# Altium PCB DE842170260.PcbDoc (part 1 of 2) (continued)
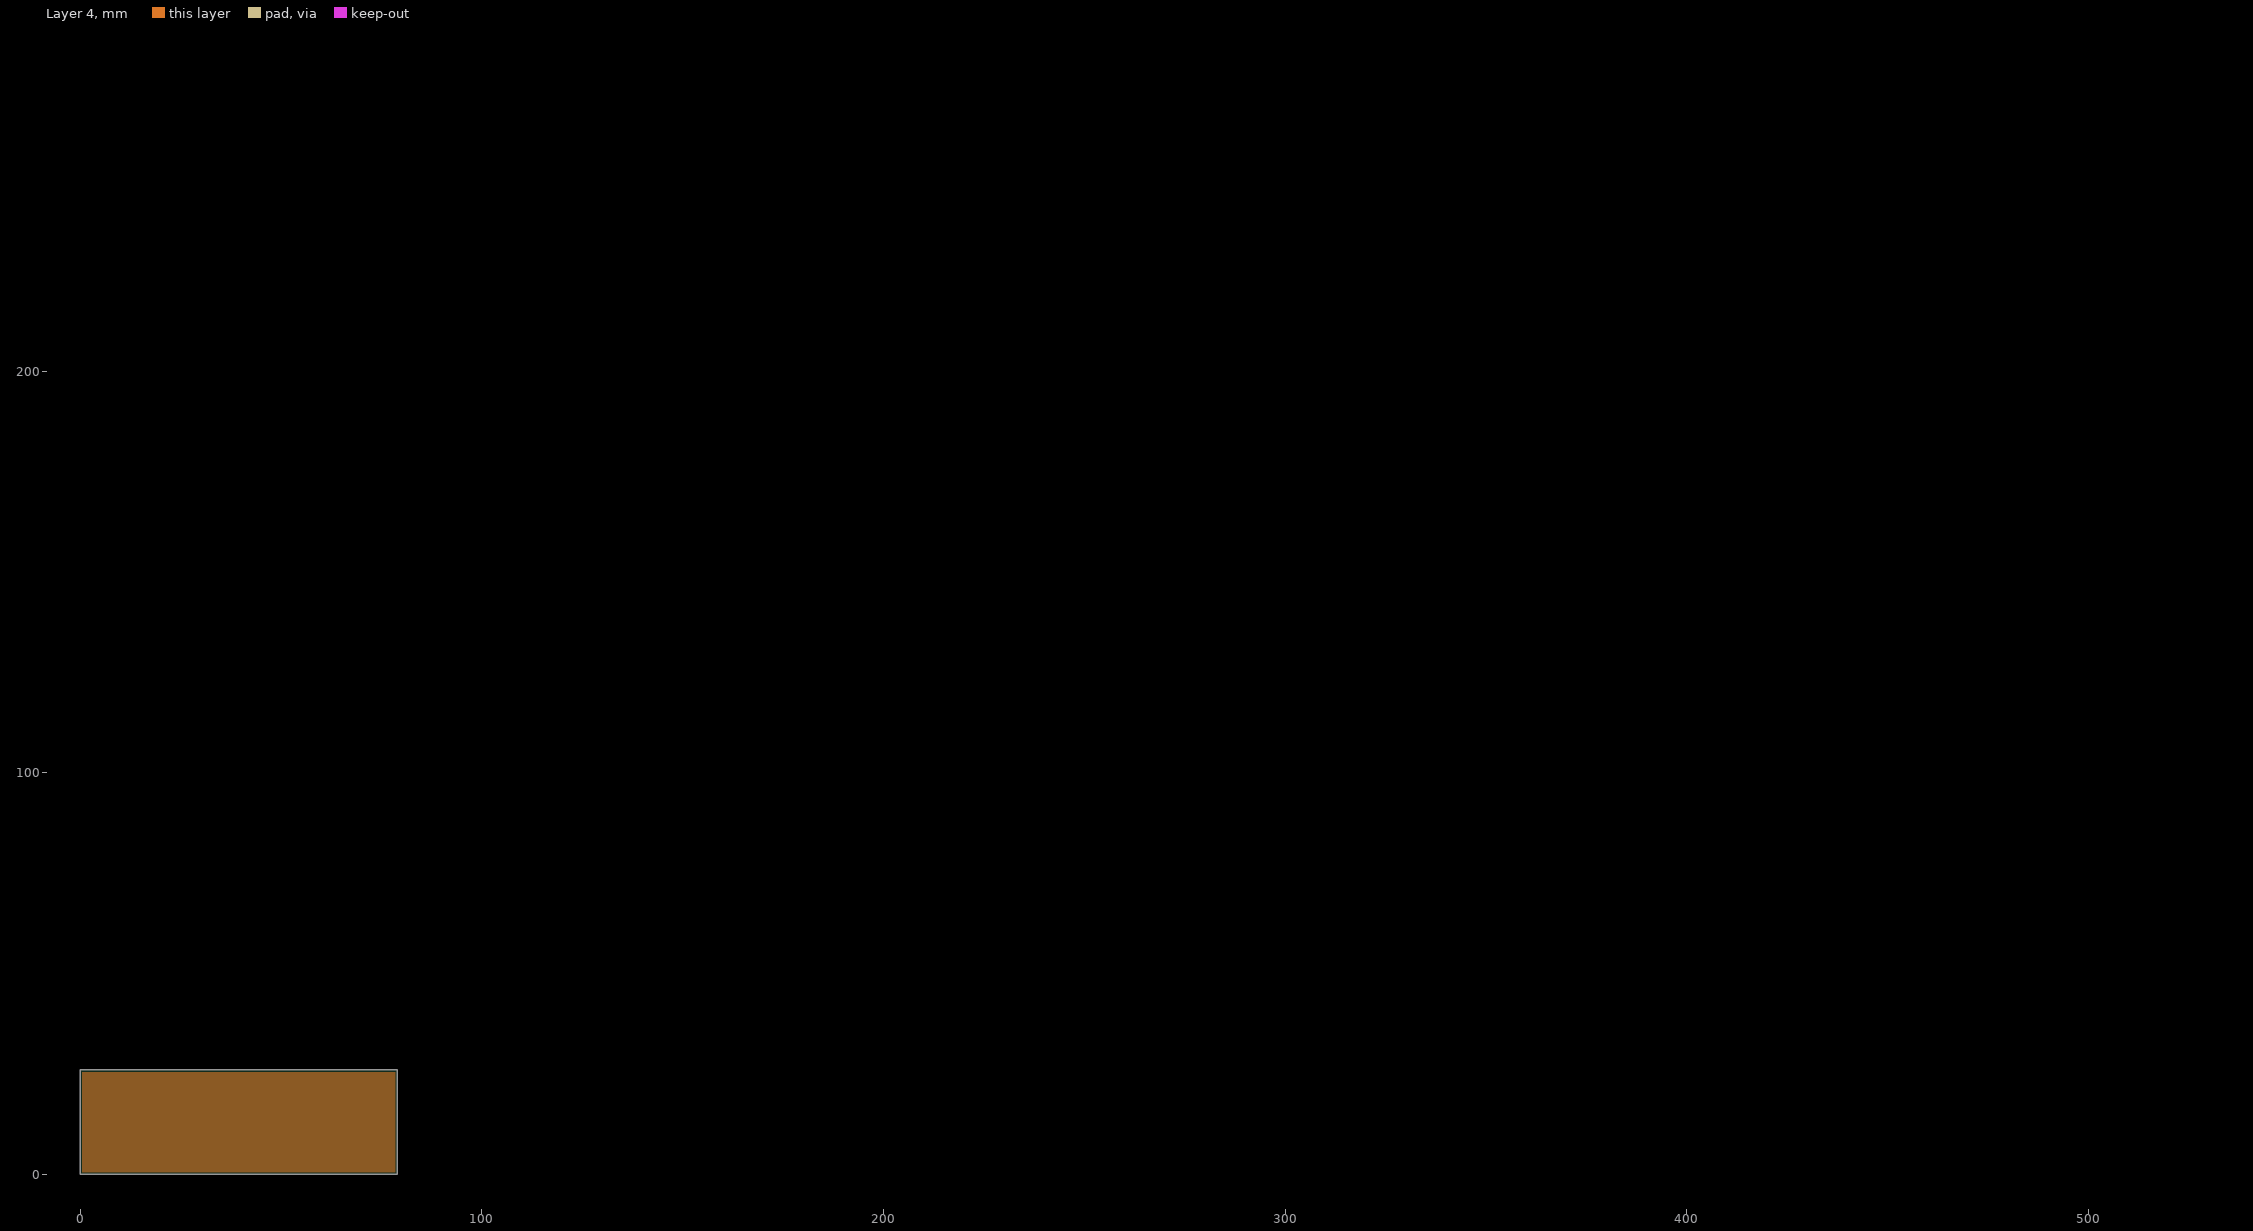
[diagram p4: Layer 4, clearances drawn from the general rule]

## Layer stack, top to bottom
Top Solder: solder mask 0.0102, Solder Resist, Dk 3.5
Top Layer: signal copper 0.0356
Dielectric 2: prepreg 0.0711, PP-006, Dk 4.1
Layer 1: signal copper 0.035
Dielectric6: dielectric 0.32, FR-4, Dk 4.8
Layer 1 (Plane1): plane copper 0.035
Dielectric 3: prepreg 0.0711, PP-006, Dk 4.1
Layer 2: signal copper 0.035
Dielectric 1: dielectric 0.32, FR-4, Dk 4.8
Layer 3: signal copper 0.035
Dielectric 4: prepreg 0.0711, PP-006, Dk 4.1
Layer 4: plane copper 0.035
Dielectric 5: prepreg 0.0711, PP-006, Dk 4.1
Bottom Layer: signal copper 0.0356
Bottom Solder: solder mask 0.0102, Solder Resist, Dk 3.5

## Board outline
0,0 0,26 79,26 79,0

## Design rules (kind name [scope] priority, off if disabled: settings)
Clearance [All] p1: gap=0.254 ignorepadtopadclearanceinfootprint=FALSE except(0: Arc-Hole Track-Hole SMDPad-Hole THPad-Hole Via-Hole Fill-Hole Poly-Hole Region-Hole Text-Hole)
PlaneClearance [All] p1: clearance=0.508
PlaneConnect [All] p1: planeconnectstyle=Relief reliefexpansion=0.508 reliefentries=4 reliefconductorwidth=0.254 reliefairgap=0.254
PolygonConnect [All] p1: connectstyle=Relief reliefconductorwidth=0.254 reliefentries=4 polygonreliefangle="90 Angle" airgapwidth=0.254
RoutingVias [All] p1: holewidth=0.711 width=1.27 viastyle="Through Hole" minholewidth=0.711 minwidth=1.27 maxholewidth=0.711 maxwidth=1.27
SolderMaskExpansion [All] p1: expansion=0.102 istentingtop=FALSE
Width [All] p1: maxlimit=0.254 minlimit=0.254 preferedwidth=0.254
28 further rules are at their usual default settings.

## Components (designator, comment, footprint, x,y, rotation, side; value= is the part's Value field where it differs from the comment)
1 "ERJ2RKF1002X" RESC1005X40X25LL05T05 221.599,277.3 r90 top locked
2 "ERJ2RKF1002X" RESC1005X40X25LL05T05 121.4,277.3 r90 top locked
3 "ERJ2RKF1002X" RESC1005X40X25LL05T05 20.3,277.3 r90 top locked
C1 "C1608X5R1A106M080AC" FP-C1608-080-0_1-IPC_A 108.099,33.8 r0 top locked
C2 "C1005X5R1E104K050BC" FP-C1005-050-0_05-MFG 98.199,34.1 r0 top locked
C3 "CC0402KRX7R7BB223" FP-CC0402-MFG 418.599,239.9 r0 top locked value="22 nF"
C4 "CC0402KRX7R7BB222" FP-CC0402-MFG 422.899,239.9 r0 top locked value="2.2 nF"
C5 "CC0402KRX7R7BB222" FP-CC0402-MFG 427.199,239.9 r0 top locked value="2.2 nF"
C6 "C1005X5R1E104K050BC" FP-C1005-050-0_05-MFG 14.599,34.1 r0 top locked
C7 "C1005X5R1E104K050BC" FP-C1005-050-0_05-MFG 18.899,34.1 r0 top locked
C8 "C1005X5R1E104K050BC" FP-C1005-050-0_05-MFG 10.299,34.1 r0 top locked
C9 "CC0402KRX7R7BB223" FP-CC0402-MFG 331.499,239.9 r0 top locked value="22 nF"
C10 "CC0402KRX7R7BB222" FP-CC0402-MFG 335.599,239.7 r90 top locked value="2.2 nF"
C11 "CC0402KRX7R7BB222" FP-CC0402-MFG 341.399,239.9 r0 top locked value="2.2 nF"
C12 "C1608X5R1A106M080AC" FP-C1608-080-0_1-IPC_A 98.099,40.4 r0 top locked
C13 "C1005C0G1H080D050BA" FP-C1005-050-0_05-IPC_B 320.099,239.7 r90 top locked
C14 "C1005X5R1E104K050BC" FP-C1005-050-0_05-MFG 14.699,40.7 r90 top locked
C15 "C1005X5R1E104K050BC" FP-C1005-050-0_05-MFG 20.299,40.7 r90 top locked
C16 "C1005X5R1E104K050BC" FP-C1005-050-0_05-MFG 220.899,239.9 r90 top locked
C17 "C1005C0G1H080D050BA" FP-C1005-050-0_05-IPC_B 215.299,239.7 r90 top locked
C18 "CGB3B3X5R1A225M055AB" FP-CGB3B-IPC_A 182.499,239.6 r0 top locked
C19 "CC0402KRX7R7BB223" FP-CC0402-MFG 164.5,239.7 r90 top locked value="22 nF"
C20 "CC0402KRX7R7BB222" FP-CC0402-MFG 170.099,239.7 r90 top locked value="2.2 nF"
C21 "CC0402KRX7R7BB222" FP-CC0402-MFG 176.099,239.9 r0 top locked value="2.2 nF"
C22 "CGB3B3X5R1A225M055AB" FP-CGB3B-IPC_A 159.8,239.6 r0 top locked
C23 "CC0402KRX7R7BB103" FP-CC0402-MFG 141.1,239.7 r90 top locked value="10 nF"
C24 "GRM31CR70J226KE19L" CAPC3216X180N 135.7,230.7 r90 top locked
C25 "CGB3B3X5R1A225M055AB" FP-CGB3B-IPC_A 96.3,239.6 r0 top locked
C26 "C1005X5R1E104K050BC" FP-C1005-050-0_05-MFG 116.5,239.9 r90 top locked
C27 "CC0402KRX7R7BB103" FP-CC0402-MFG 83.4,239.7 r90 top locked value="10 nF"
C28 "C1005X5R1E104K050BC" FP-C1005-050-0_05-MFG 48.3,239.9 r90 top locked
C29 "CC0402KRX7R7BB472" FP-CC0402-MFG 30.8,239.7 r90 top locked value="4.7 nF"
C30 "C0402C271K5RACTU" FP-C0402-BB-MFG 36.6,239.8 r90 top locked value="270 pF"
C31 "CAP 1.8nF 10V 0402(1005)" CAPC0402(1005)60_N 19.5,239.6 r90 top locked value=1.8nF
C32 "C1005X5R1E104K050BC" FP-C1005-050-0_05-MFG 24.9,239.9 r90 top locked
C33 "C1005X5R1E104K050BC" FP-C1005-050-0_05-MFG 1.1,239.9 r90 top locked
C34 "C0603C475K9PACTU" FP-C0603-CG-MFG 241.899,263.5 r90 top locked value=4.7uF
C35 "C1608X5R1A106M080AC" FP-C1608-080-0_1-IPC_A 199.199,263.7 r0 top locked
C36 "C1005X5R1E105K050BC" FP-C1005-050-0_05-IPC_B 203.799,263.9 r90 top locked
C37 "CGB3B3X5R1A225M055AB" FP-CGB3B-IPC_A 193.299,263.7 r0 top locked
C38 "GRM155R61A105KE15D" FP-GRM15-0_1-MFG 174.499,264.1 r90 top locked value=1uF
C39 "CGB3B3X5R1A225M055AB" FP-CGB3B-IPC_A 164.1,263.7 r0 top locked
C40 "C1005X5R1E104K050BC" FP-C1005-050-0_05-MFG 99.2,264.1 r90 top locked
C41 "C1005X5R1E104K050BC" FP-C1005-050-0_05-MFG 105,264.1 r90 top locked
C42 "C1005X5R1E104K050BC" FP-C1005-050-0_05-MFG 110.3,264.1 r90 top locked
C43 "C1005X5R1E104K050BC" FP-C1005-050-0_05-MFG 116.2,264.1 r90 top locked
C44 "C1005X5R1E104K050BC" FP-C1005-050-0_05-MFG 122,264.1 r90 top locked
C45 "C1005X5R1E104K050BC" FP-C1005-050-0_05-MFG 127.9,264.1 r90 top locked
C46 "C1005X5R1E104K050BC" FP-C1005-050-0_05-MFG 35.6,264.1 r90 top locked
C47 "C1005X5R1E104K050BC" FP-C1005-050-0_05-MFG 41.5,264.1 r90 top locked
C48 "C1608X5R1C475K080AC" FP-C1608-080-0_1-IPC_C 47.5,263.6 r90 top locked
C49 "C1005X5R1E104K050BC" FP-C1005-050-0_05-MFG 291.799,274.7 r90 top locked
C50 "C1005X5R1E104K050BC" FP-C1005-050-0_05-MFG 259.099,274.7 r90 top locked
C51 "C1005X5R1E104K050BC" FP-C1005-050-0_05-MFG 264.899,274.7 r90 top locked
C52 "C1005X5R1E104K050BC" FP-C1005-050-0_05-MFG 241.499,274.7 r90 top locked
C53 "C1005X5R1E104K050BC" FP-C1005-050-0_05-MFG 247.399,274.7 r90 top locked
C54 "C1005X5R1E104K050BC" FP-C1005-050-0_05-MFG 235.699,274.7 r90 top locked
C55 "C1005X5R1E104K050BC" FP-C1005-050-0_05-MFG 223.999,274.7 r90 top locked
C56 "C1005X5R1E104K050BC" FP-C1005-050-0_05-MFG 214.499,274.7 r90 top locked
C57 "C1005X5R1E104K050BC" FP-C1005-050-0_05-MFG 208.699,274.7 r90 top locked
C58 "C1005X5R1E104K050BC" FP-C1005-050-0_05-MFG 191.099,274.7 r90 top locked
C59 "C1005X5R1E104K050BC" FP-C1005-050-0_05-MFG 157.9,274.7 r90 top locked
C60 "C1005X5R1E104K050BC" FP-C1005-050-0_05-MFG 163.8,274.7 r90 top locked
C61 "C1005X5R1E104K050BC" FP-C1005-050-0_05-MFG 141.4,274.7 r90 top locked
C62 "C1005X5R1E104K050BC" FP-C1005-050-0_05-MFG 146.7,274.7 r90 top locked
C63 "C1005X5R1E104K050BC" FP-C1005-050-0_05-MFG 135.6,274.7 r90 top locked
C64 "C1005X5R1E104K050BC" FP-C1005-050-0_05-MFG 123.9,274.7 r90 top locked
C65 "C1005X5R1E104K050BC" FP-C1005-050-0_05-MFG 113.9,274.7 r90 top locked
C66 "C1005X5R1E104K050BC" FP-C1005-050-0_05-MFG 108.1,274.7 r90 top locked
C67 "C1005X5R1E104K050BC" FP-C1005-050-0_05-MFG 90.5,274.7 r90 top locked
C68 "C1005X5R1E104K050BC" FP-C1005-050-0_05-MFG 57.3,274.7 r90 top locked
C69 "C1005X5R1E104K050BC" FP-C1005-050-0_05-MFG 63.1,274.7 r90 top locked
C70 "C1005X5R1E104K050BC" FP-C1005-050-0_05-MFG 40.3,274.7 r90 top locked
C71 "C1005X5R1E104K050BC" FP-C1005-050-0_05-MFG 46.1,274.7 r90 top locked
C72 "C1005X5R1E104K050BC" FP-C1005-050-0_05-MFG 34.4,274.7 r90 top locked
C73 "C1005X5R1E104K050BC" FP-C1005-050-0_05-MFG 22.7,274.7 r90 top locked
C74 "C1005X5R1E104K050BC" FP-C1005-050-0_05-MFG 12.8,274.7 r90 top locked
C75 "C1005X5R1E104K050BC" FP-C1005-050-0_05-MFG 6.9,274.7 r90 top locked
D1 "1N4148W-7-F" DIOD-SOD123-2_V 432.699,239.8 r0 top locked
D2 "1N4148W-7-F" DIOD-SOD123-2_V 347.599,239.8 r0 top locked
D3 "1N4148W-7-F" DIOD-SOD123-2_V 188.199,239.8 r0 top locked
D4 "PGB1010402KR" FP-PGB1-0402-MFG 256.399,264.1 r0 top locked value=0.04pF
D5 "PGB1010402KR" FP-PGB1-0402-MFG 260.699,264.1 r0 top locked value=0.04pF
D6 "PGB1010402KR" FP-PGB1-0402-MFG 247.699,264.1 r0 top locked value=0.04pF
D7 "PGB1010402KR" FP-PGB1-0402-MFG 251.999,264.1 r0 top locked value=0.04pF
D8 "PGB1010402KR" FP-PGB1-0402-MFG 133.9,264.1 r0 top locked value=0.04pF
J1 "M50-3530242" HDRV2W40P0X127_1X2_254X210X420P 483.299,239.3 r0 top locked
J2 "M50-3530242" HDRV2W40P0X127_1X2_254X210X420P 374.599,239.3 r0 top locked
J3 "M50-3530242" HDRV2W40P0X127_1X2_254X210X420P 122.8,239.3 r0 top locked
J4 "M50-3530642" HDRV6W30P0X127_1X6_762X210X430P 306.299,257.3 r90 top locked
J5 "M50-3930542" M50-3930542 295.399,257.9 r90 top locked
J6 "M50-3930542" M50-3930542 300.899,257.9 r90 top locked
J7 "53307-1471" 533071471 287.899,260.7 r0 top locked
J8 "M50-3930542" M50-3930542 265.499,257.9 r90 top locked
J9 "M50-3930542" M50-3930542 271.099,257.9 r90 top locked
J10 "M50-3930542" M50-3930542 225.499,257.9 r90 top locked
J11 "M50-3930542" M50-3930542 231.099,257.9 r90 top locked
J12 "M50-3930542" M50-3930542 147.1,257.9 r90 top locked
J13 "M50-3930542" M50-3930542 152.7,257.9 r90 top locked
J14 "M50-3530642" HDRV6W30P0X127_1X6_762X210X430P 59.6,257.3 r90 top locked
J15 "M50-3530642" HDRV6W30P0X127_1X6_762X210X430P 65.2,257.3 r90 top locked
L1 "742863160" SMD-0603 216.399,264.1 r0 top locked
P1 "Header 3" HDR1X3 138.6,258.4 r90 top locked
P2 "Header 3" HDR1X3 142.6,258.4 r90 top locked
R1 "MCS04020Z0000ZE000" FP-MCS0402-MFG 519.999,239.9 r0 top locked
R2 "ERJ-2RKF1001X" RESC1005X40X25NL05T05 492.299,240.2 r0 top locked
R3 "ERJ2RKF1002X" RESC1005X40X25LL05T05 474.299,240.3 r0 top locked
R4 "ERJ2RKF1002X" RESC1005X40X25LL05T05 478.599,240.3 r0 top locked
R5 "ERJ2RKF1002X" RESC1005X40X25LL05T05 76.099,34.5 r0 top locked
R6 "ERJ2RKF1002X" RESC1005X40X25LL05T05 80.399,34.5 r0 top locked
R7 "ERJ-2RKF1001X" RESC1005X40X25NL05T05 461.499,240.2 r0 top locked
R8 "ERJ-2RKF1202X" RESC1005X40X25ML05T05 457.399,240.1 r0 top locked
R9 "ERJ2RKF1002X" RESC1005X40X25LL05T05 447.099,240.3 r0 top locked
R10 "ERJ2RKF1002X" RESC1005X40X25LL05T05 451.099,239.9 r90 top locked
R11 "ERJ-2RKF51R0X" FP-ERJ2RK-MFG 47.499,34.2 r0 top locked
R12 "ERJ-2RKF51R0X" FP-ERJ2RK-MFG 23.099,33.9 r90 top locked
R13 "MCS04020Z0000ZE000" FP-MCS0402-MFG 384.599,239.8 r90 top locked
R14 "ERJ-2RKF1001X" RESC1005X40X25NL05T05 378.699,239.8 r90 top locked
R15 "ERJ-2RKF1001X" RESC1005X40X25NL05T05 368.299,239.8 r90 top locked
R16 "ERJ-2RKF3002X" FP-ERJ2RK-IPC_C 362.999,239.9 r90 top locked
R17 "ERJ2RKF1002X" RESC1005X40X25LL05T05 351.499,239.9 r90 top locked
R18 "ERJ2RKF1002X" RESC1005X40X25LL05T05 356.999,239.9 r90 top locked
R19 "MCS04020Z0000ZE000" FP-MCS0402-MFG 325.599,239.8 r90 top locked
R20 "MCS04020Z0000ZE000" FP-MCS0402-MFG 308.599,239.8 r90 top locked
R21 "ERJ2RKF1002X" RESC1005X40X25LL05T05 79.499,40.7 r90 top locked
R22 "ERJ2RKF1002X" RESC1005X40X25LL05T05 84.799,40.7 r90 top locked
R23 "MCS04020Z0000ZE000" FP-MCS0402-MFG 291.599,239.8 r90 top locked
R24 "ERJ-2RKF51R0X" FP-ERJ2RK-MFG 58.799,40.5 r90 top locked
R25 "ERJ2RKF1002X" RESC1005X40X25LL05T05 270.299,239.9 r90 top locked
R26 "ERJ2RKF1002X" RESC1005X40X25LL05T05 254.799,239.9 r90 top locked
R27 "ERJ-2RKF51R0X" FP-ERJ2RK-MFG 25.799,40.5 r90 top locked
R28 "MCS04020Z0000ZE000" FP-MCS0402-MFG 249.299,239.8 r90 top locked
R29 "ERJ-2RKF1001X" RESC1005X40X25NL05T05 226.199,239.8 r90 top locked
R30 "ERJ-2RKF1001X" RESC1005X40X25NL05T05 209.099,239.8 r90 top locked
R31 "ERJ2RKF1002X" RESC1005X40X25LL05T05 191.999,239.9 r90 top locked
R32 "ERJ2RKF1002X" RESC1005X40X25LL05T05 197.399,239.9 r90 top locked
R33 "ERJ-2RKF4702X" FP-ERJ2RK-IPC_B 203.599,239.7 r90 top locked
R34 "CRCW04022K00FKED" FP-CRCW0402-e3-IPC_C 146.9,239.9 r90 top locked
R35 "MCS04020Z0000ZE000" FP-MCS0402-MFG 152.8,239.8 r90 top locked
R36 "CRCW04021K00FKED" FP-CRCW0402-e3-MFG 127.3,239.7 r90 top locked
R37 "CRCW04021K00FKED" FP-CRCW0402-e3-MFG 101,239.7 r90 top locked
R38 "ERJ-2RKF1001X" RESC1005X40X25NL05T05 89,239.8 r90 top locked
R39 "ERJ-2RKF6801X" FP-ERJ2RK-IPC_B 65.9,239.7 r90 top locked
R40 "CRCW040268K0JNED" FP-CRCW0402-e3-IPC_C 71.7,239.9 r90 top locked
R41 "CRCW25122R00FNEG" FP-CRCW2512-e3-IPC_A 79.1,236.3 r90 top locked
R42 "ERJ-2RKF1001X" RESC1005X40X25NL05T05 59.7,239.8 r90 top locked
R43 "CRCW040227K0JNED" FP-CRCW0402-e3-IPC_C 54.2,239.9 r90 top locked
R44 "ERJ2RKF1002X" RESC1005X40X25LL05T05 42.1,239.9 r90 top locked
R45 "ERJ2RKF1002X" RESC1005X40X25LL05T05 6.6,239.9 r90 top locked
R46 "ERJ2RKF1002X" RESC1005X40X25LL05T05 235.499,264.1 r90 top locked
R47 "ERJ-2RKF1783X" RESC1005X40X25ML05T05 209.499,263.8 r90 top locked
R48 "ERJ2RKF1002X" RESC1005X40X25LL05T05 185.899,264.1 r90 top locked
R49 "ERJ-2RKF1003X" FP-ERJ2RK-IPC_C 180.399,264 r90 top locked
R50 "ERJ2RKF9102X" RESC1005X40X25NL05T05 168.4,263.9 r90 top locked
R51 "ERJ-2RKF1583X" RESC1005X40X25ML05T05 157.4,263.8 r90 top locked
R52 "ERJ2RKF1002X" RESC1005X40X25LL05T05 75.4,264.1 r90 top locked
R53 "ERJ2RKF1002X" RESC1005X40X25LL05T05 81.3,264.1 r90 top locked
R54 "ERJ2RKF1002X" RESC1005X40X25LL05T05 87.1,264.1 r90 top locked
R55 "ERJ2RKF1002X" RESC1005X40X25LL05T05 93,264.1 r90 top locked
R56 "MCS04020Z0000ZE000" FP-MCS0402-MFG 53.2,263.9 r90 top locked
R57 "ERJ2RKF1002X" RESC1005X40X25LL05T05 11.9,264.1 r90 top locked
R58 "ERJ2RKF1002X" RESC1005X40X25LL05T05 17.8,264.1 r90 top locked
R59 "ERJ2RKF1002X" RESC1005X40X25LL05T05 23.6,264.1 r90 top locked
R60 "ERJ2RKF1002X" RESC1005X40X25LL05T05 29.5,264.1 r90 top locked
R61 "ERJ-2RKF51R0X" FP-ERJ2RK-MFG 6.9,263.9 r90 top locked
R62 "ERJ-2RKF51R0X" FP-ERJ2RK-MFG 1,263.9 r90 top locked
R63 "ERJ2RKF1002X" RESC1005X40X25LL05T05 297.299,274.7 r90 top locked
R64 "ERJ2RKF1002X" RESC1005X40X25LL05T05 285.599,274.7 r90 top locked
R65 "ERJ2RKF1002X" RESC1005X40X25LL05T05 252.899,274.7 r90 top locked
R66 "ERJ2RKF1002X" RESC1005X40X25LL05T05 269.899,274.7 r90 top locked
R67 "ERJ2RKF1002X" RESC1005X40X25LL05T05 229.499,274.7 r90 top locked
R68 "ERJ2RKF1002X" RESC1005X40X25LL05T05 202.499,274.7 r90 top locked
R69 "ERJ2RKF1002X" RESC1005X40X25LL05T05 196.699,274.7 r90 top locked
R70 "ERJ2RKF1002X" RESC1005X40X25LL05T05 184.999,274.7 r90 top locked
R71 "ERJ2RKF1002X" RESC1005X40X25LL05T05 152.3,274.7 r90 top locked
R72 "ERJ2RKF1002X" RESC1005X40X25LL05T05 169.3,274.7 r90 top locked
R73 "ERJ2RKF1002X" RESC1005X40X25LL05T05 129.4,274.7 r90 top locked
R74 "ERJ2RKF1002X" RESC1005X40X25LL05T05 101.9,274.7 r90 top locked
R75 "ERJ2RKF1002X" RESC1005X40X25LL05T05 96,274.7 r90 top locked
R76 "ERJ2RKF1002X" RESC1005X40X25LL05T05 84.3,274.7 r90 top locked
R77 "ERJ2RKF1002X" RESC1005X40X25LL05T05 51.1,274.7 r90 top locked
R78 "ERJ2RKF1002X" RESC1005X40X25LL05T05 68.7,274.7 r90 top locked
R79 "ERJ2RKF1002X" RESC1005X40X25LL05T05 28.3,274.7 r90 top locked
R80 "ERJ2RKF1002X" RESC1005X40X25LL05T05 0.7,274.7 r90 top locked
U1 "AD623ARZ" ADI-AD623ARZ-8_M 527.099,237.6 r0 top locked
U2 "STM32F756VGT6" STM-LQFP100_L 509.399,232.3 r0 top locked
U3 "LIS3MDLTR" FP-VFLGA-12-8365767-MFG 53.799,33.2 r0 top locked
U4 "AD623ARZ" ADI-AD623ARZ-8_M 393.599,237.6 r0 top locked
U5 "AIS2IH" FP-VFLGA-12-8365767-MFG 66.199,39.8 r0 top locked
U6 "AD623ARZ" ADI-AD623ARZ-8_M 264.399,237.6 r0 top locked
U7 "TS982IDWT" SOIC127P600X175-9N 14.8,236.9 r90 top locked
U8 "AD8572ARZ" ADI-R-8_M 110.3,237.6 r0 top locked
U9 "LM27762DSSR" FP-DSS0012B-MFG 221.299,263 r0 top locked
U10 "24AA64T-I/MC" DFN-MC8 71.7,263.6 r0 top locked
U11 "LM2902KPWR" PW14 279.599,272.2 r0 top locked
U12 "LM2902KPWR" PW14 178.999,272.2 r0 top locked
U13 "LM2902KPWR" PW14 78.4,272.2 r0 top locked
X1 "NX1612SA-50M-EXS00A-CS08403" FP-NX1612SA-MFG 288.499,239.5 r0 top locked
X2 "MAX7375AXR805+T" SOT65P210X110-3N 278.399,254.9 r90 top locked

## Footprints (in the part's own frame and the unit in brackets; to place one, negate y for a bottom-side part, rotate by r counter-clockwise, add the part's x,y. Pads: shape width x height; smd on the part's side, far side on the other; paste and mask are expansions set on the pad)
533071471 [mm]
  rect 0.55x1.8 smd: 1(2.4,2.15) 2(2.4,-2.15) 3(1.6,2.15) 4(1.6,-2.15) 5(0.8,2.15) 6(0.8,-2.15) 7(0,2.15) 8(0,-2.15) 9(-0.8,2.15) 10(-0.8,-2.15) 11(-1.6,2.15) 12(-1.6,-2.15) 13(-2.4,2.15) 14(-2.4,-2.15)
  silkscreen extent -3.7,-2.05 3.7,3.5, body extent -3.7,-2.55 3.7,2.55, height 3.6
ADI-AD623ARZ-8_M [mm] "SOIC, 8-Leads, Body 5x4mm, Pitch 1.27mm, IPC Low Density"
  oval 1.65x0.65 smd: 1(-2.825,1.905) 2(-2.825,0.635) 3(-2.825,-0.635) 4(-2.825,-1.905) 5(2.825,-1.905) 6(2.825,-0.635) 7(2.825,0.635) 8(2.825,1.905)
  silkscreen extent -2.95,-2.5 1.6,2.9, body extent -2,-2.5 2,2.5, height 1.75
ADI-R-8_M [mm] "SOIC, 8-Leads, Body 4.9x3.9mm, Pitch 1.27mm, IPC Low Density"
  oval 2.5x0.7 smd: 1(-2.45,1.905) 2(-2.45,0.635) 3(-2.45,-0.635) 4(-2.45,-1.905) 5(2.45,-1.905) 6(2.45,-0.635) 7(2.45,0.635) 8(2.45,1.905)
  silkscreen extent -2.57,-2.5 0.8,2.93, body extent -2,-2.5 2,2.5, height 1.75
CAPC0402(1005)60_N [mm] "Chip Capacitor, Body 1.0x0.5mm, Height 0.6mm, IPC Medium Density"
  rect 0.62x0.62 smd: 1(-0.45,0) 2(0.45,0)
  body extent -0.55,-0.3 0.55,0.3, height 0.6
CAPC3216X180N [mm]
  rect 1.07x1.82 smd: 1(-1.38,0) 2(1.38,0)
  silkscreen extent 0,-0.7 0,0.7, body extent -10,-3.38 10,3.38, height 5.8
DFN-MC8 [mm] "SON, 8-Leads, Body 2x3mm, Pitch 0.5mm, Microchip Recommended"
  rect 0.75x0.3 smd: 1(-1.45,0.75) 2(-1.45,0.25) 3(-1.45,-0.25) 4(-1.45,-0.75) 5(1.45,-0.75) 6(1.45,-0.25) 7(1.45,0.25) 8(1.45,0.75)
  rect 1.75x1.45 smd: 9(0,0)
  silkscreen extent -2.18,1.05 -2.08,1.15, body extent -1.55,-1.05 1.55,1.05, height 1
DIOD-SOD123-2_V [mm] "SOD123, 2-Leads, Body 2.7x1.55mm, Height 1.45mm"
  rect 0.9x0.95 smd: 1(-1.575,0) 2(1.575,0)
  silkscreen extent -0.64,-0.82 0.64,0.77, body extent -1.35,-0.77 1.35,0.77, height 1.45
FP-C0402-BB-MFG [mm]
  rect 0.52x0.52 smd paste+0 mask+0: 1(-0.4,0) 2(0.4,0)
  silkscreen extent -0.5,-0.64 0.5,0.64, body extent -0.8,-0.4 0.8,0.4, height 0.25
FP-C0603-CG-MFG [mm]
  rect 0.75x0.9 smd paste+0 mask+0: 1(-0.6,0) 2(0.6,0)
  silkscreen extent -0.87,-0.85 0.87,0.85, body extent -1.2,-0.6 1.2,0.6, height 0.25
FP-C1005-050-0_05-IPC_B [mm]
  rect 0.639x0.572 smd paste+0 mask+0: 1(-0.417,0) 2(0.417,0)
  silkscreen extent -0.74,-0.69 0.74,0.69, body extent -0.89,-0.44 0.89,0.44, height 0.25
FP-C1005-050-0_05-MFG [mm]
  rect 0.4x0.5 smd paste+0 mask+0: 1(-0.4,0) 2(0.4,0)
  silkscreen extent -0.53,-0.65 0.53,0.65, body extent -0.7,-0.38 0.7,0.38, height 0.25
FP-C1608-080-0_1-IPC_A [mm]
  rect 1.331x1.012 smd paste+0 mask+0: 1(-0.741,0) 2(0.741,0)
  silkscreen extent -1.41,-0.91 1.41,0.91, body extent -1.91,-1.01 1.91,1.01, height 0.25
FP-C1608-080-0_1-IPC_C [mm]
  rect 0.931x0.812 smd paste+0 mask+0: 1(-0.541,0) 2(0.541,0)
  silkscreen extent -1.01,-0.85 1.01,0.85, body extent -1.11,-0.55 1.11,0.55, height 0.25
FP-CC0402-MFG [mm]
  rect 0.5x0.5 smd paste+0 mask+0: 1(-0.5,0) 2(0.5,0)
  silkscreen extent -0.53,-0.68 0.53,0.67, body extent -0.87,-0.48 0.87,0.48, height 0.25
FP-CGB3B-IPC_A [mm]
  rect 1.331x1.012 smd paste+0 mask+0: 1(-0.741,0) 2(0.741,0)
  silkscreen extent -1.41,-0.91 1.41,0.91, body extent -1.91,-1.01 1.91,1.01, height 0.25
FP-CRCW0402-e3-IPC_C [mm]
  rect 0.468x0.472 smd paste+0 mask+0: 1(-0.402,0) 2(0.402,0)
  silkscreen extent -0.64,-0.67 0.64,0.67, body extent -0.74,-0.38 0.74,0.38, height 0.25
FP-CRCW0402-e3-MFG [mm]
  rect 0.6x0.6 smd paste+0 mask+0: 1(-0.525,0) 2(0.525,0)
  silkscreen extent -0.53,-0.7 0.53,0.7, body extent -0.92,-0.4 0.92,0.4, height 0.25
FP-CRCW2512-e3-IPC_A [mm]
  rect 1.555x3.408 smd paste+0 mask+0: 1(-3.026,0) 2(3.026,0)
  silkscreen extent -1.87,-1.58 1.87,1.58, body extent -4.3,-2.2 4.3,2.2, height 0.25
FP-DSS0012B-MFG [mm]
  rrect40% 0.5x0.25 smd paste+0 mask+0: 1(-0.95,1.25) 2(-0.95,0.75) 3(-0.95,0.25) 4(-0.95,-0.25) 5(-0.95,-0.75) 6(-0.95,-1.25) 7(0.95,-1.25) 8(0.95,-0.75) 9(0.95,-0.25) 10(0.95,0.25) 11(0.95,0.75) 12(0.95,1.25)
  rrect10% 1x2.65 smd paste-1000 mask+0: 13(0,0)
  silkscreen extent -1.87,-1.75 1.05,1.75, body extent -1.3,-1.65 1.3,1.65, height 0.25
FP-ERJ2RK-IPC_B [mm]
  rect 0.568x0.572 smd paste+0 mask+0: 1(-0.452,0) 2(0.452,0)
  silkscreen extent -0.74,-0.69 0.74,0.69, body extent -0.89,-0.44 0.89,0.44, height 0.25
FP-ERJ2RK-IPC_C [mm]
  rect 0.468x0.472 smd paste+0 mask+0: 1(-0.402,0) 2(0.402,0)
  silkscreen extent -0.64,-0.67 0.64,0.67, body extent -0.74,-0.38 0.74,0.38, height 0.25
FP-ERJ2RK-MFG [mm]
  rect 0.475x0.5 smd paste+0 mask+0: 1(-0.513,0) 2(0.513,0)
  silkscreen extent -0.53,-0.63 0.53,0.63, body extent -0.85,-0.38 0.85,0.38, height 0.25
FP-GRM15-0_1-MFG [mm]
  rect 0.4x0.5 smd paste+0 mask+0: 1(-0.4,0) 2(0.4,0)
  silkscreen extent -0.55,-0.63 0.55,0.63, body extent -0.7,-0.38 0.7,0.38, height 0.25
FP-MCS0402-MFG [mm]
  rect 0.55x0.55 smd paste+0 mask+0: 1(-0.45,0) 2(0.45,0)
  silkscreen extent -0.53,-0.65 0.53,0.65, body extent -0.82,-0.38 0.82,0.38, height 0.25
FP-NX1612SA-MFG [mm]
  rect 0.75x0.65 smd paste+0 mask+0: 1(-0.525,-0.375) 2(0.525,-0.375) 3(0.525,0.375) 4(-0.525,0.375)
  silkscreen extent -1.6,-1.1 0.85,1.1, body extent -1,-0.8 1,0.8, height 0.25
FP-PGB1-0402-MFG [mil]
  rect 23x22 smd paste+0 mask+0: 1(-19,0) 2(19,0)
  silkscreen extent -20,-27 20,27, body extent -34,-15 34,15, height 10
FP-VFLGA-12-8365767-MFG [mm]
  rect 0.375x0.35 smd paste+0 mask+0: 1(-0.763,0.75) 2(-0.763,0.25) 3(-0.763,-0.25) 4(-0.763,-0.75) 7(0.763,-0.75) 8(0.763,-0.25) 9(0.763,0.25) 10(0.763,0.75)
  rect 0.35x0.375 smd paste+0 mask+0: 5(-0.25,-0.763) 6(0.25,-0.763) 11(0.25,0.763) 12(-0.25,0.763)
  silkscreen extent -2.1,-1.38 1.38,1.38, body extent -1.58,-1.58 1.58,1.58, height 0.25
HDR1X3 [mm] "Connector; Header; 3 Position"
  rect 1.5x1.5 hole 0.9: 1(0,0)
  round 1.5 hole 0.9: 2(2.54,0) 3(5.08,0)
  silkscreen extent -1.27,-1.27 6.35,1.27
HDRV2W40P0X127_1X2_254X210X420P [mm]
  rect 1x1 / inner round 1 / far side rect 1x1 hole 0.6: 1(0,0)
  round 1 hole 0.6: 2(1.27,0)
  silkscreen extent -0.88,-1.1 2.15,1.1
HDRV6W30P0X127_1X6_762X210X430P [mm]
  rect 1x1 / inner round 1 / far side rect 1x1 hole 0.6: 1(0,0)
  round 1 hole 0.6: 2(1.27,0) 3(2.54,0) 4(3.81,0) 5(5.08,0) 6(6.35,0)
  silkscreen extent -0.88,-1.1 7.23,1.1
M50-3930542 [mm]
  round 1 hole 0.6: 1(0,0) 2(1.27,0) 3(2.54,0) 4(3.81,0) 5(5.08,0)
  silkscreen extent -0.64,-1.5 5.71,-0.5
PW14 [mil]
  rect 57.56x13.97 smd paste+0 mask+0: 1(-115,76.77) 2(-115,51.18) 3(-115,25.59) 4(-115,0) 5(-115,-25.59) 6(-115,-51.18) 7(-115,-76.77) 8(115,-76.77) 9(115,-51.18) 10(115,-25.59) 11(115,0) 12(115,25.59) 13(115,51.18) 14(115,76.77)
  silkscreen extent -94,-106 164,106, body extent -130,-101 130,101, height 47
RESC1005X40X25LL05T05 [mm] "Chip Resistor, 2-Leads, Body 1.05x0.55mm, IPC High Density"
  rect 0.45x0.45 smd: 1(-0.4,0) 2(0.4,0)
  body extent -0.53,-0.28 0.53,0.28, height 0.4
RESC1005X40X25ML05T05 [mm] "Chip Resistor, 2-Leads, Body 1.05x0.55mm, IPC Low Density"
  rect 0.65x0.65 smd: 1(-0.5,0) 2(0.5,0)
  body extent -0.53,-0.28 0.53,0.28, height 0.4
RESC1005X40X25NL05T05 [mm] "Chip Resistor, 2-Leads, Body 1.05x0.55mm, IPC Medium Density"
  rect 0.55x0.55 smd: 1(-0.45,0) 2(0.45,0)
  body extent -0.53,-0.28 0.53,0.28, height 0.4
SMD-0603 [mm] "Chip Inductor, 2-Leads, Body 1.6x0.8mm"
  rect 0.85x0.7 smd: 1(-0.775,0) 2(0.775,0)
  body extent -0.8,-0.4 0.8,0.4, height 0.79
SOIC127P600X175-9N [mm]
  rrect25% 1.97x0.6 smd: 1(-2.475,1.905) 2(-2.475,0.635) 3(-2.475,-0.635) 4(-2.475,-1.905) 5(2.475,-1.905) 6(2.475,-0.635) 7(2.475,0.635) 8(2.475,1.905)
  rect 2.41x3.1 smd paste-3: 9(0,0)
  silkscreen extent -4.54,-2.52 2,2.6
SOT65P210X110-3N [mm]
  rect 1.1x0.5 smd: 1(-1,0.65) 2(-1,-0.65) 3(1,0)
  silkscreen extent -1.55,-1 0.1,1.15, body extent -10,-3.38 10,3.38, height 5.8
STM-LQFP100_L [mm] "Thin QFP, 100-Leads, Body 14x14mm, Pitch 0.5mm, IPC High Density"
  oval 1.55x0.25 smd: 1(-7.525,6) 2(-7.525,5.5) 3(-7.525,5) 4(-7.525,4.5) 5(-7.525,4) 6(-7.525,3.5) 7(-7.525,3) 8(-7.525,2.5) 9(-7.525,2) 10(-7.525,1.5) 11(-7.525,1) 12(-7.525,0.5) 13(-7.525,0) 14(-7.525,-0.5) 15(-7.525,-1) 16(-7.525,-1.5) 17(-7.525,-2) 18(-7.525,-2.5) 19(-7.525,-3) 20(-7.525,-3.5) 21(-7.525,-4) 22(-7.525,-4.5) 23(-7.525,-5) 24(-7.525,-5.5) 25(-7.525,-6) 51(7.525,-6) 52(7.525,-5.5) 53(7.525,-5) 54(7.525,-4.5) 55(7.525,-4) 56(7.525,-3.5) 57(7.525,-3) 58(7.525,-2.5) 59(7.525,-2) 60(7.525,-1.5) 61(7.525,-1) 62(7.525,-0.5) 63(7.525,0) 64(7.525,0.5) 65(7.525,1) 66(7.525,1.5) 67(7.525,2) 68(7.525,2.5) 69(7.525,3) 70(7.525,3.5) 71(7.525,4) 72(7.525,4.5) 73(7.525,5) 74(7.525,5.5) 75(7.525,6)
  oval 0.25x1.55 smd: 26(-6,-7.525) 27(-5.5,-7.525) 28(-5,-7.525) 29(-4.5,-7.525) 30(-4,-7.525) 31(-3.5,-7.525) 32(-3,-7.525) 33(-2.5,-7.525) 34(-2,-7.525) 35(-1.5,-7.525) 36(-1,-7.525) 37(-0.5,-7.525) 38(0,-7.525) 39(0.5,-7.525) 40(1,-7.525) 41(1.5,-7.525) 42(2,-7.525) 43(2.5,-7.525) 44(3,-7.525) 45(3.5,-7.525) 46(4,-7.525) 47(4.5,-7.525) 48(5,-7.525) 49(5.5,-7.525) 50(6,-7.525) 76(6,7.525) 77(5.5,7.525) 78(5,7.525) 79(4.5,7.525) 80(4,7.525) 81(3.5,7.525) 82(3,7.525) 83(2.5,7.525) 84(2,7.525) 85(1.5,7.525) 86(1,7.525) 87(0.5,7.525) 88(0,7.525) 89(-0.5,7.525) 90(-1,7.525) 91(-1.5,7.525) 92(-2,7.525) 93(-2.5,7.525) 94(-3,7.525) 95(-3.5,7.525) 96(-4,7.525) 97(-4.5,7.525) 98(-5,7.525) 99(-5.5,7.525) 100(-6,7.525)
  silkscreen extent -7.65,-6.35 6.35,6.8, body extent -7,-7 7,7, height 1.6

## Part data
1 2 3: library part CMP-2000-07588-1, "Chip Resistor, 10 KOhm, +/- 1%, 0.1 W, -55 to 155 degC, 0402 (1005 Metric), RoHS, Tape and Reel", Case Code (Imperial)=0402, Case Code (Metric)=1005, Manufacturer=Panasonic, Max Operating Temperature=155degC, Max Power Dissipation=100mW, Min Operating Temperature=-55degC, Package Description="2-Pin Surface Mount Device, Body 1 x 0.5 mm", Package Quantity=1, Package Reference=402, Resistance=1.5KOhm, Temperature Coefficient=100ppm\/degreesC, Tolerance=1%, Voltage Rating=50V, Case\/Package=0402, Composition=ThickFilm, Contact Plating=Tin, Datasheet URL=https://industrial.panasonic.com/cdbs/www-data/pdf/RDA0000/AOA0000C304.pdf, Datasheet Version=02/2017, Depth=0.5mm, Height=0.35mm, Lead Free=LeadFree, Length=1mm, Manufacturer URL=http://www.panasonic.com/, Military Standard=Not, Mount=SurfaceMount, Mounting Technology=SurfaceMount, Number of Pins=2, Number of Terminations=2, Packaging=TapeandReel, Power Rating=100mW, Radiation Hardening=No, REACH SVHC=NoSVHC, RoHSCompliant=True, Termination=SMD/SMT, Voltage Rating (DC)=50V, Width=0.02inch
C1 C12 C35: library part CMP-2000-04980-2, "Multilayer Ceramic Capacitors 10μF ±20% 10V X5R SMD 0603", Capacitance=10uF, Case Code (Imperial)=0603, Case Code (Metric)=1608, Dielectric=X5R, Dielectric Material=Ceramic, Max Operating Temperature=85°C, Min Operating Temperature=-55°C, Package Quantity=1, Tolerance=20%, Voltage Rating=10V, Case/Package=0603, Construction=Flat, Depth=0.8mm, Height=0.8mm, Lead Free="Lead Free", Length=1.6mm, Mount="Surface Mount", Number of Pins=2, Packaging="Tape and Reel", Radiation Hardening=No, REACH SVHC="No SVHC", Resistor Type=Ceramic, RoHS Compliant=Yes, Series=C, Termination=SMD/SMT, Thickness=0.035inch, Voltage Rating (DC)=10V, Weight=7.1E-05oz, Width=0.031inch
C2 C6 C7 C8 C14 C15 C16 C26 C28 C32 C33 C40 C41 C42 C43 C44 C45 C46 C47 C52 C53 C61 C62 C70 C71: library part CMP-2000-06000-2, "Multilayer Ceramic Capacitors 100nF ±10% 25V X5R SMD 0402", Capacitance=100nF, Case Code (Imperial)=0402, Case Code (Metric)=1005, Dielectric=X5R, Dielectric Material=Ceramic, Max Operating Temperature=85°C, Min Operating Temperature=-55°C, Package Quantity=1, Tolerance=10%, Voltage=25V, Case/Package=0402, Construction=Flat, Contact Plating=Tin, Depth=0.5mm, Height=0.5mm, Lead Free="Lead Free", Length=1mm, Mount="Surface Mount", Packaging="Tape and Reel", REACH SVHC="No SVHC", Resistor Type=Ceramic, RoHS Compliant=Yes, Series=C, Termination=Wraparound, Thickness=0.022inch, Voltage Rating=25V, Voltage Rating (DC)=25V, Weight=2.3E-05oz, Width=0.02inch
C3 C9 C19: library part CMP-03422-001279-1, "CAP CER 0.022UF 16V X7R 0402", Capacitance="22 nF", Manufacturer=YAGEO, Package=CC0402, Temperature="-55°C to +125°C", Temperature Characteristic=X7R, Temperature Coefficient=30ppm/°C, Temperature Range High=+125°C, Temperature Range Low=-55°C, Tolerance=0.1, Voltage Rating="16 V", Automotive=No, Automotive Grade=NA, Category=Cap, ComponentLink2Description=Datasheet, ComponentLink2URL=http://www.yageo.com/documents/recent/UPY-GP_NP0_16V-to-50V_16.pdf, Device Class L1="Passive Components", Device Class L2=Capacitors, Device Class L3="Ceramic Capacitors", Digikey Description="CAP CER 0.022UF 16V X7R 0402", Footprint Url=http://www.yageo.com/exep/pages/download/literatures/UPY-C_GEN_24.pdf, Height=0.55mm, Ipc Land Pattern Name=CAPC10050X50, Lead Free=Yes, Manufacturer Part Number=CC0402KRX7R7BB223, Material=Ceramic, Mouser Description="Multilayer Ceramic Capacitors MLCC - SMD/SMT 22nF 16V X7R 10%", Octopart=https://octopart.com/cc0402krx7r7bb223-yageo-42244626, RoHS=TRUE